# Altium PCB Carte_GR_2017_logique_v1_ECO_JEAN.PcbDoc (part 1 of 3)
Units mil, origin at the board's own origin, x right, y up, seen from the top; angles counter-clockwise.
Board outline 5300 x 3800 mil, 4 copper layers (Component Side, Ground, Power, Solder Side), stack 38.234 mil thick; 359 components, 303 nets, 1044 pads, 134 vias.
Unrouted connection lines stored in the file: 16.
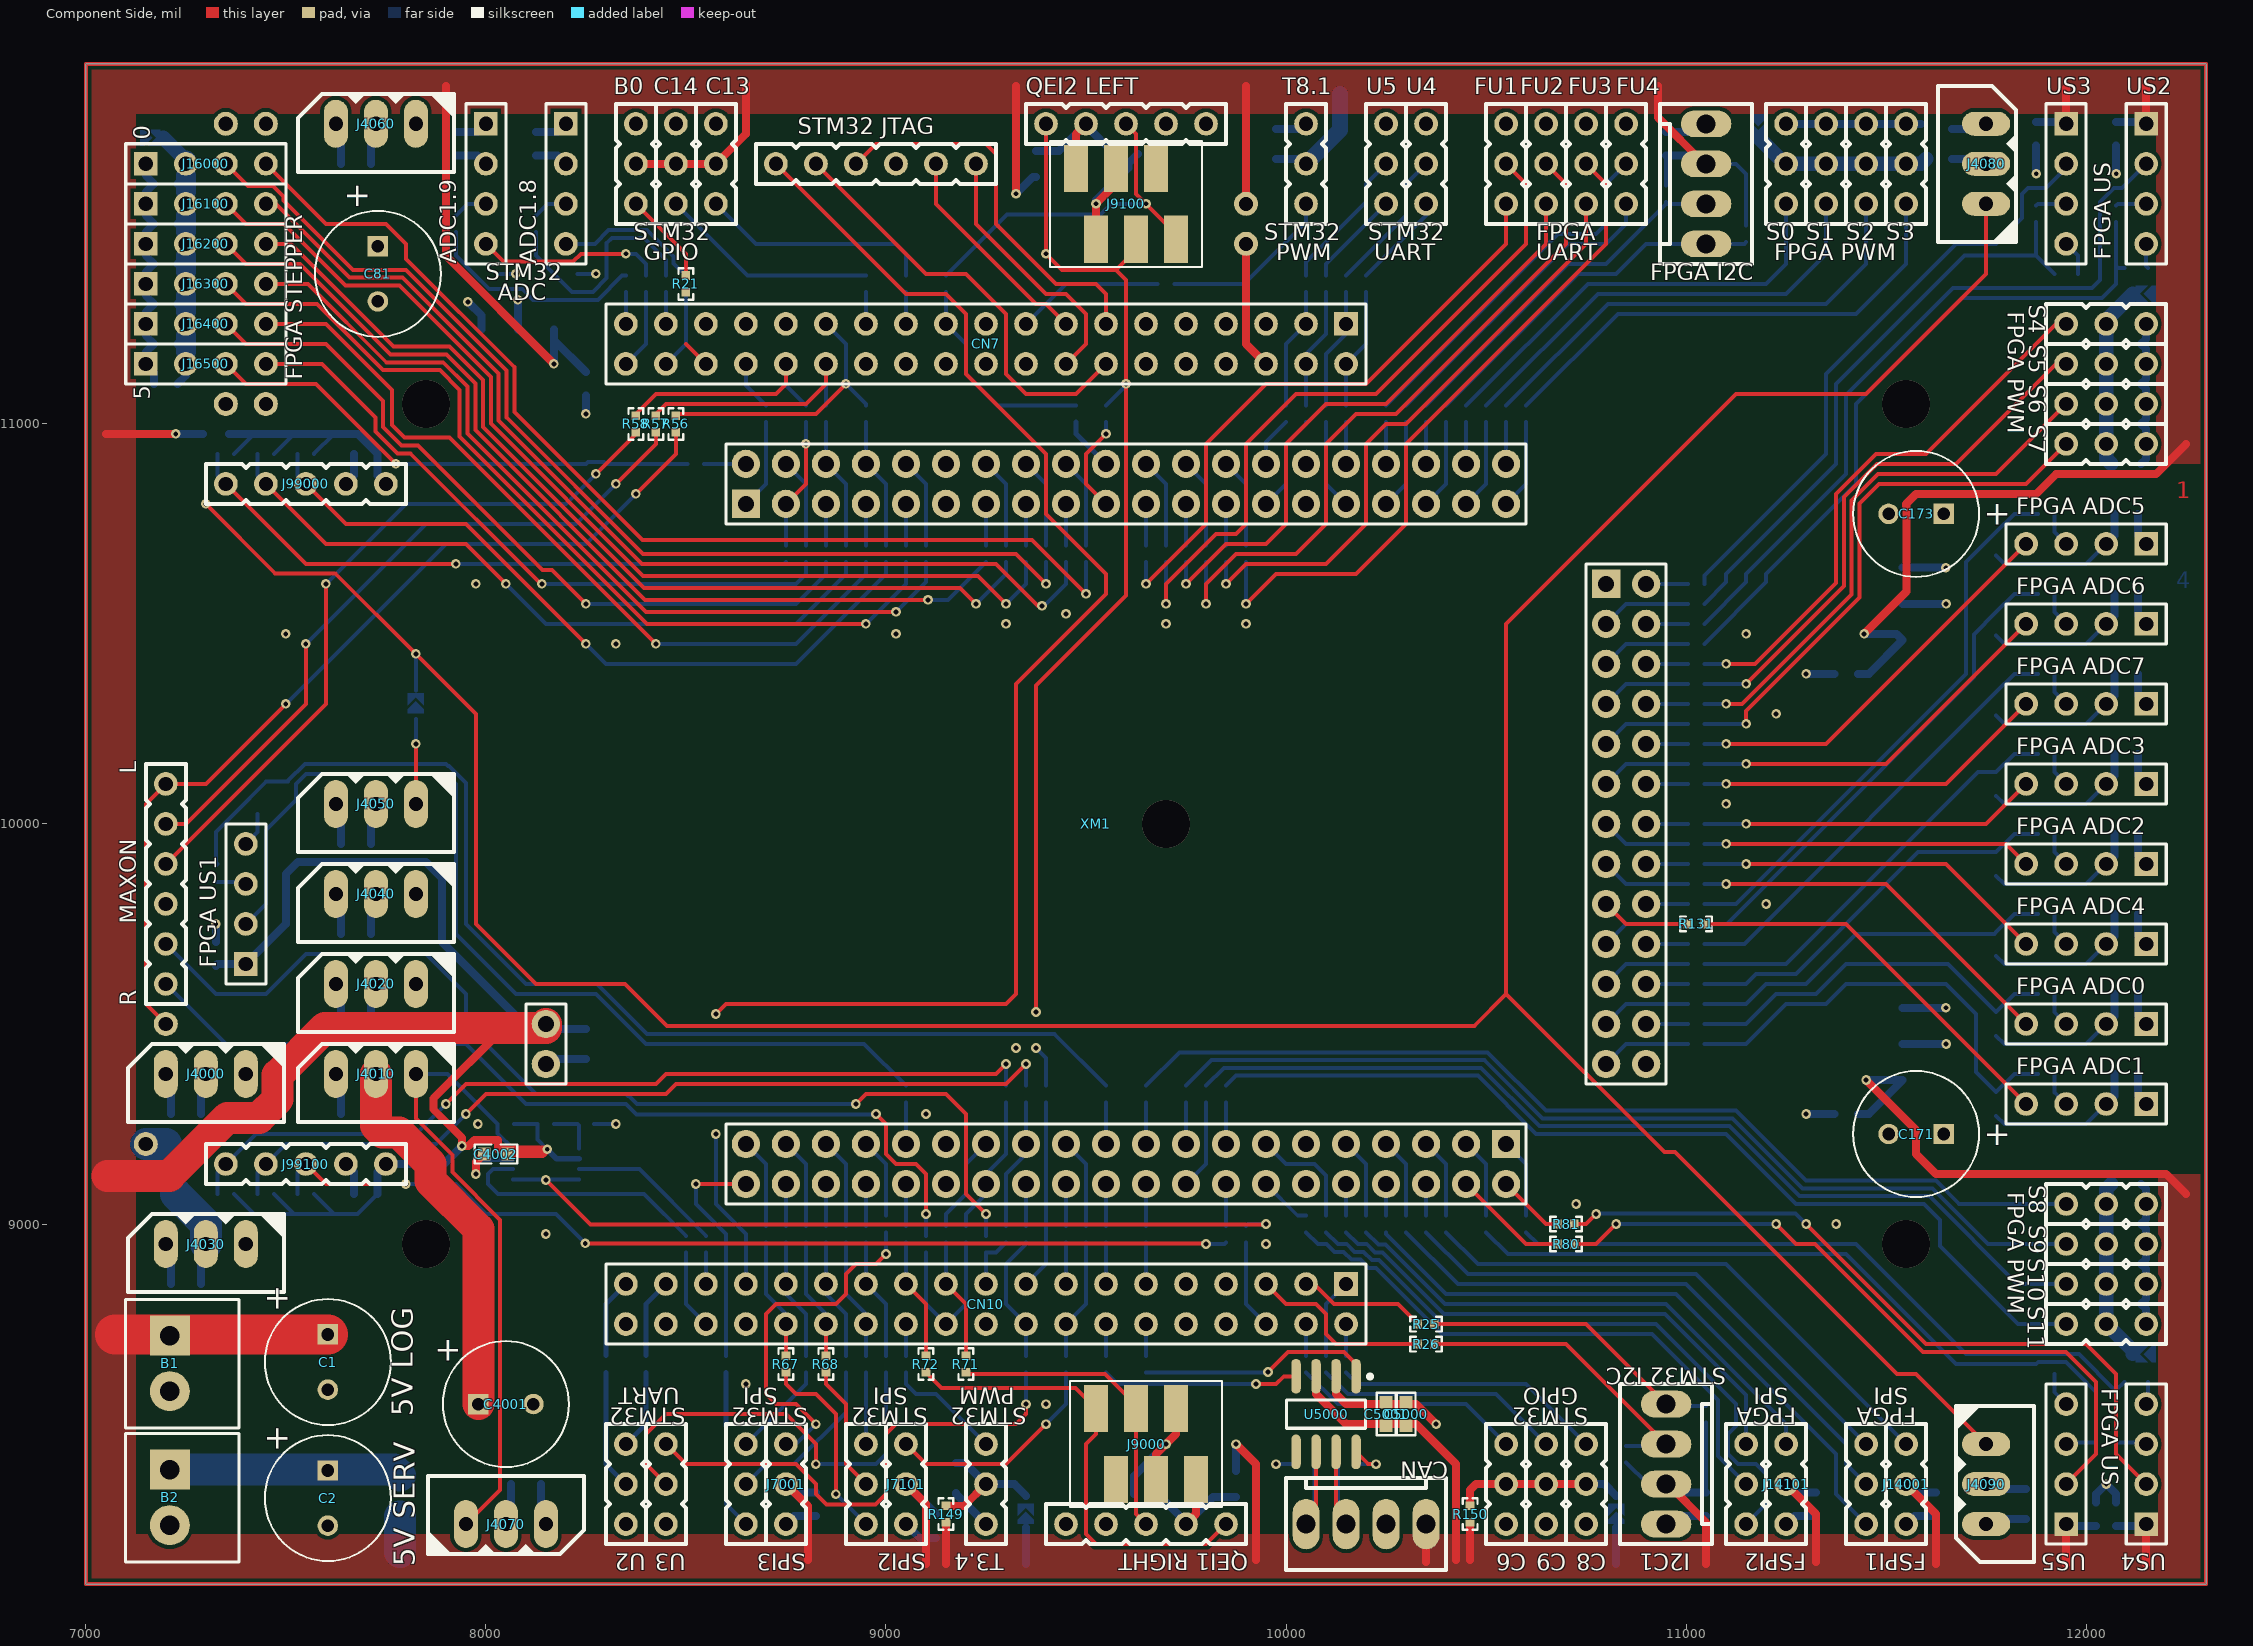
[diagram p0: Component Side view]
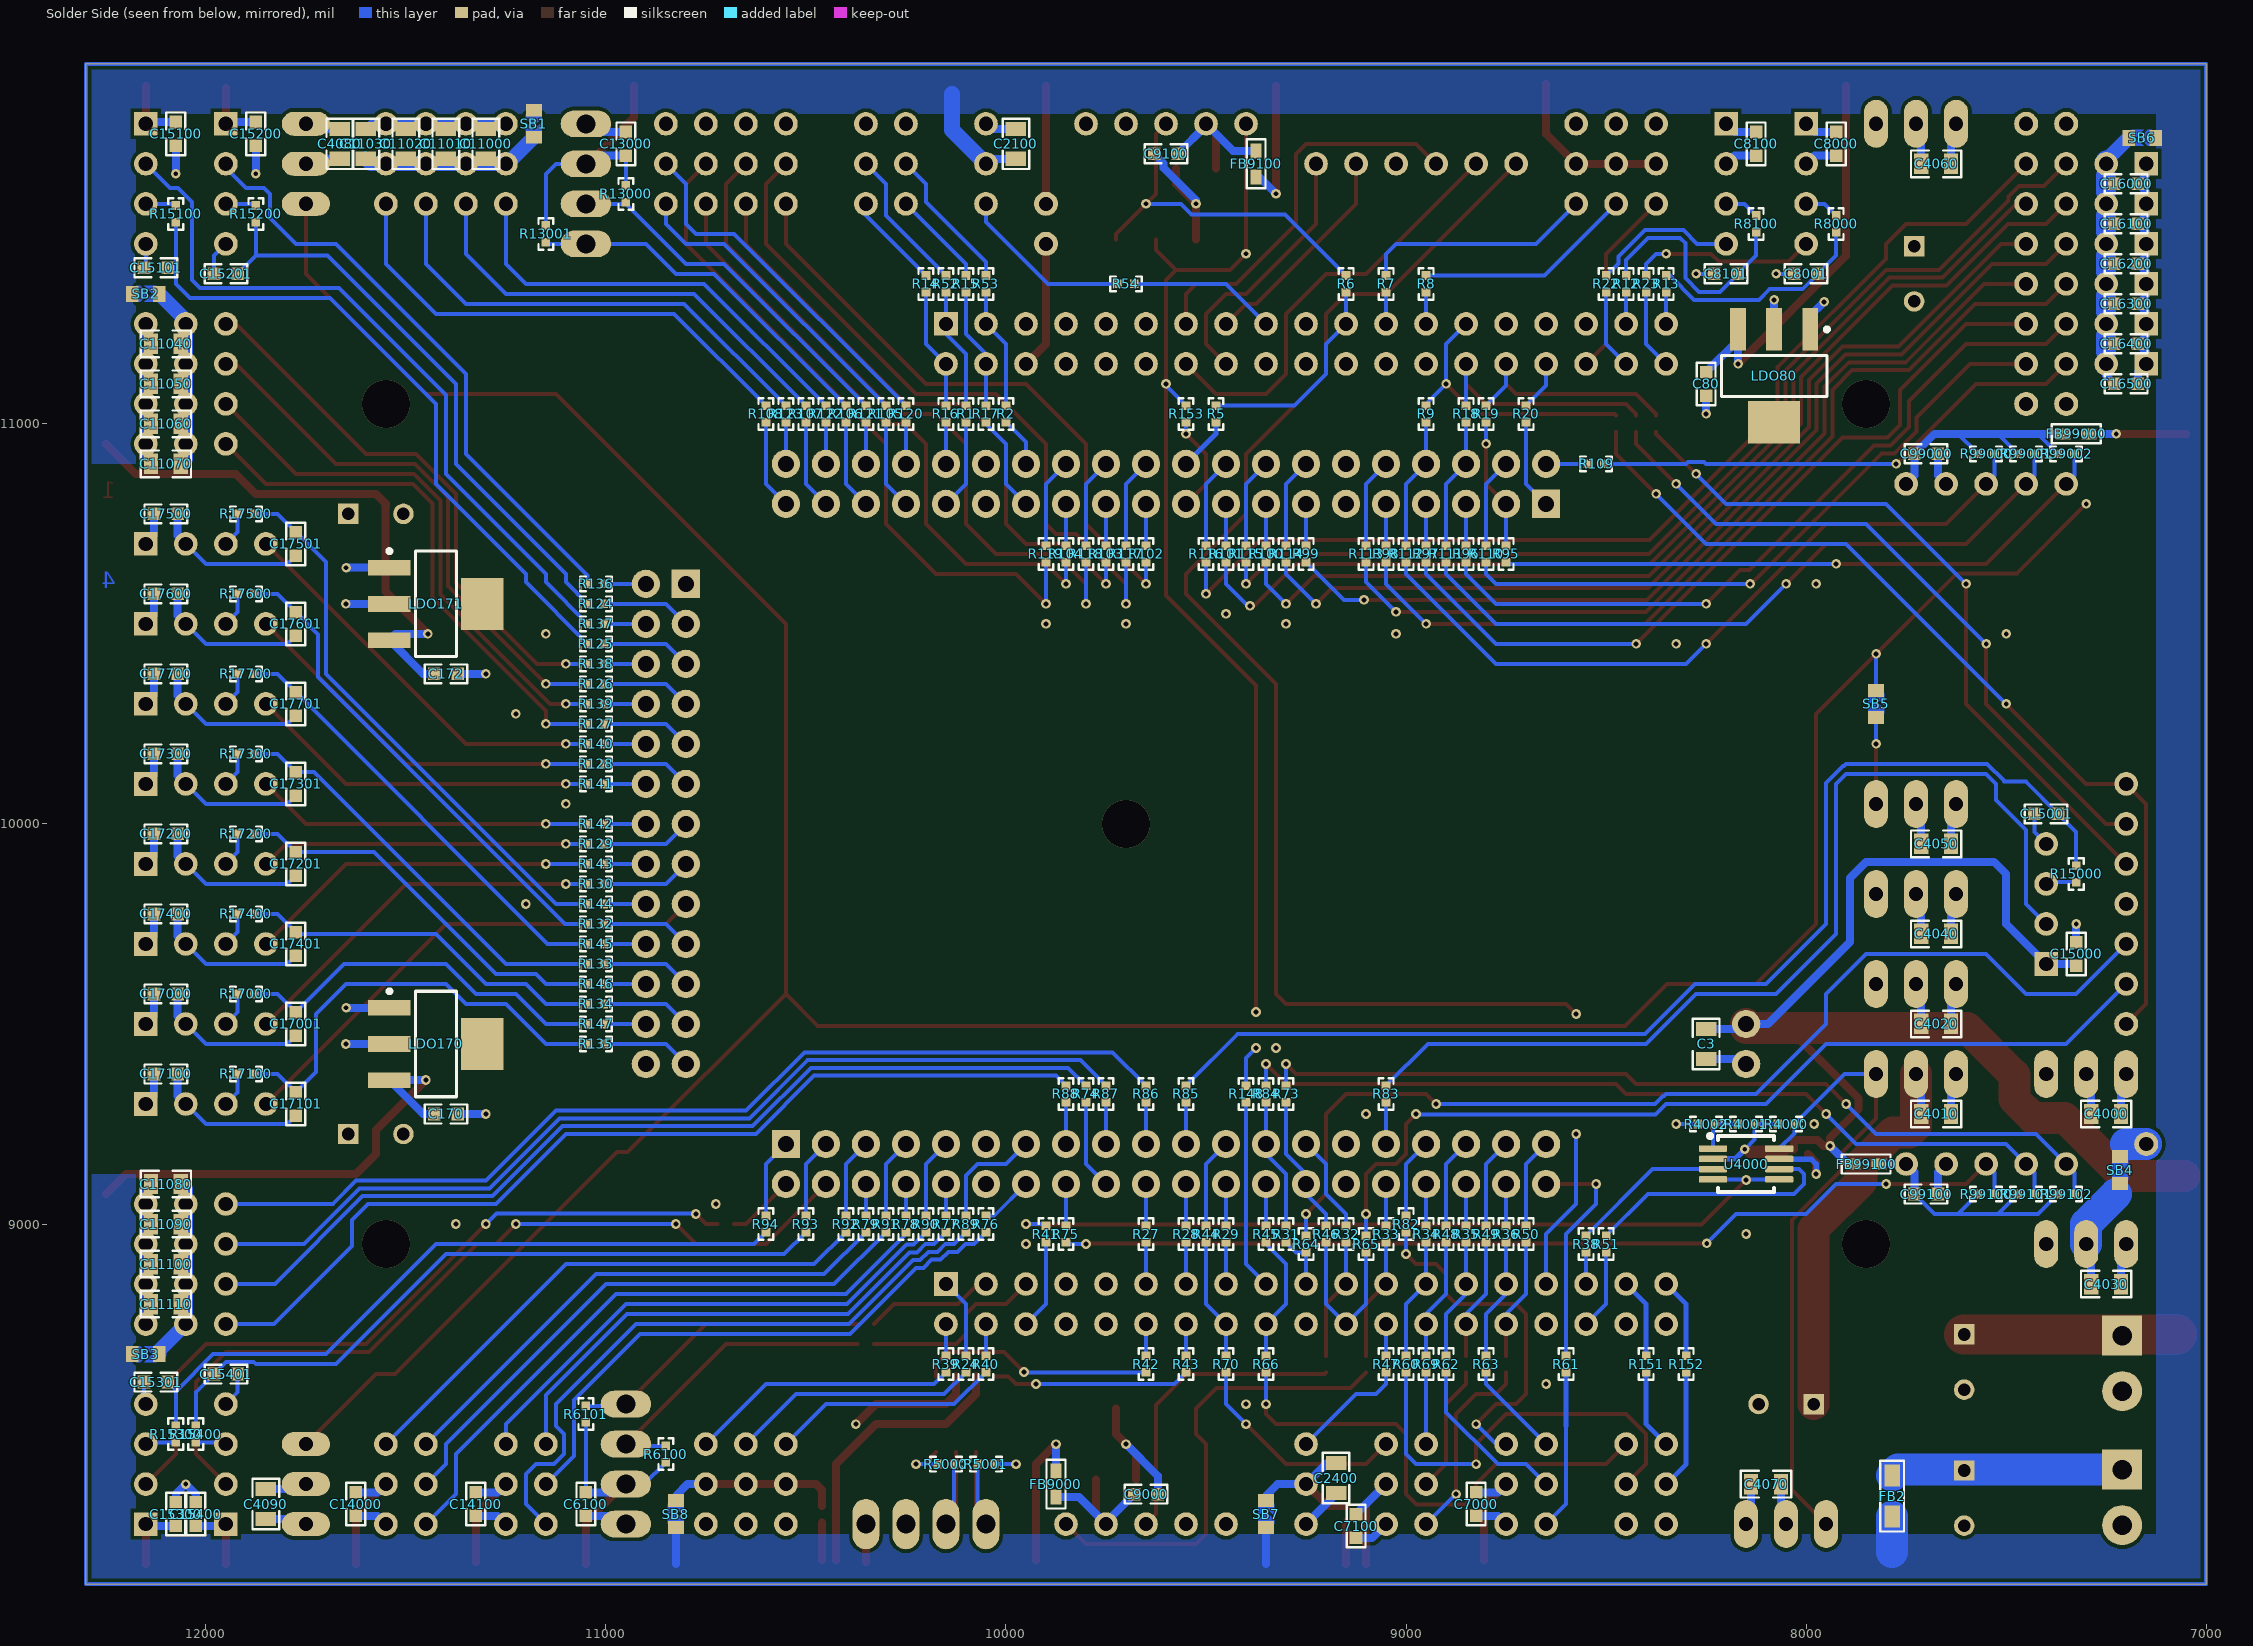
[diagram p1: Solder Side view, seen from below]
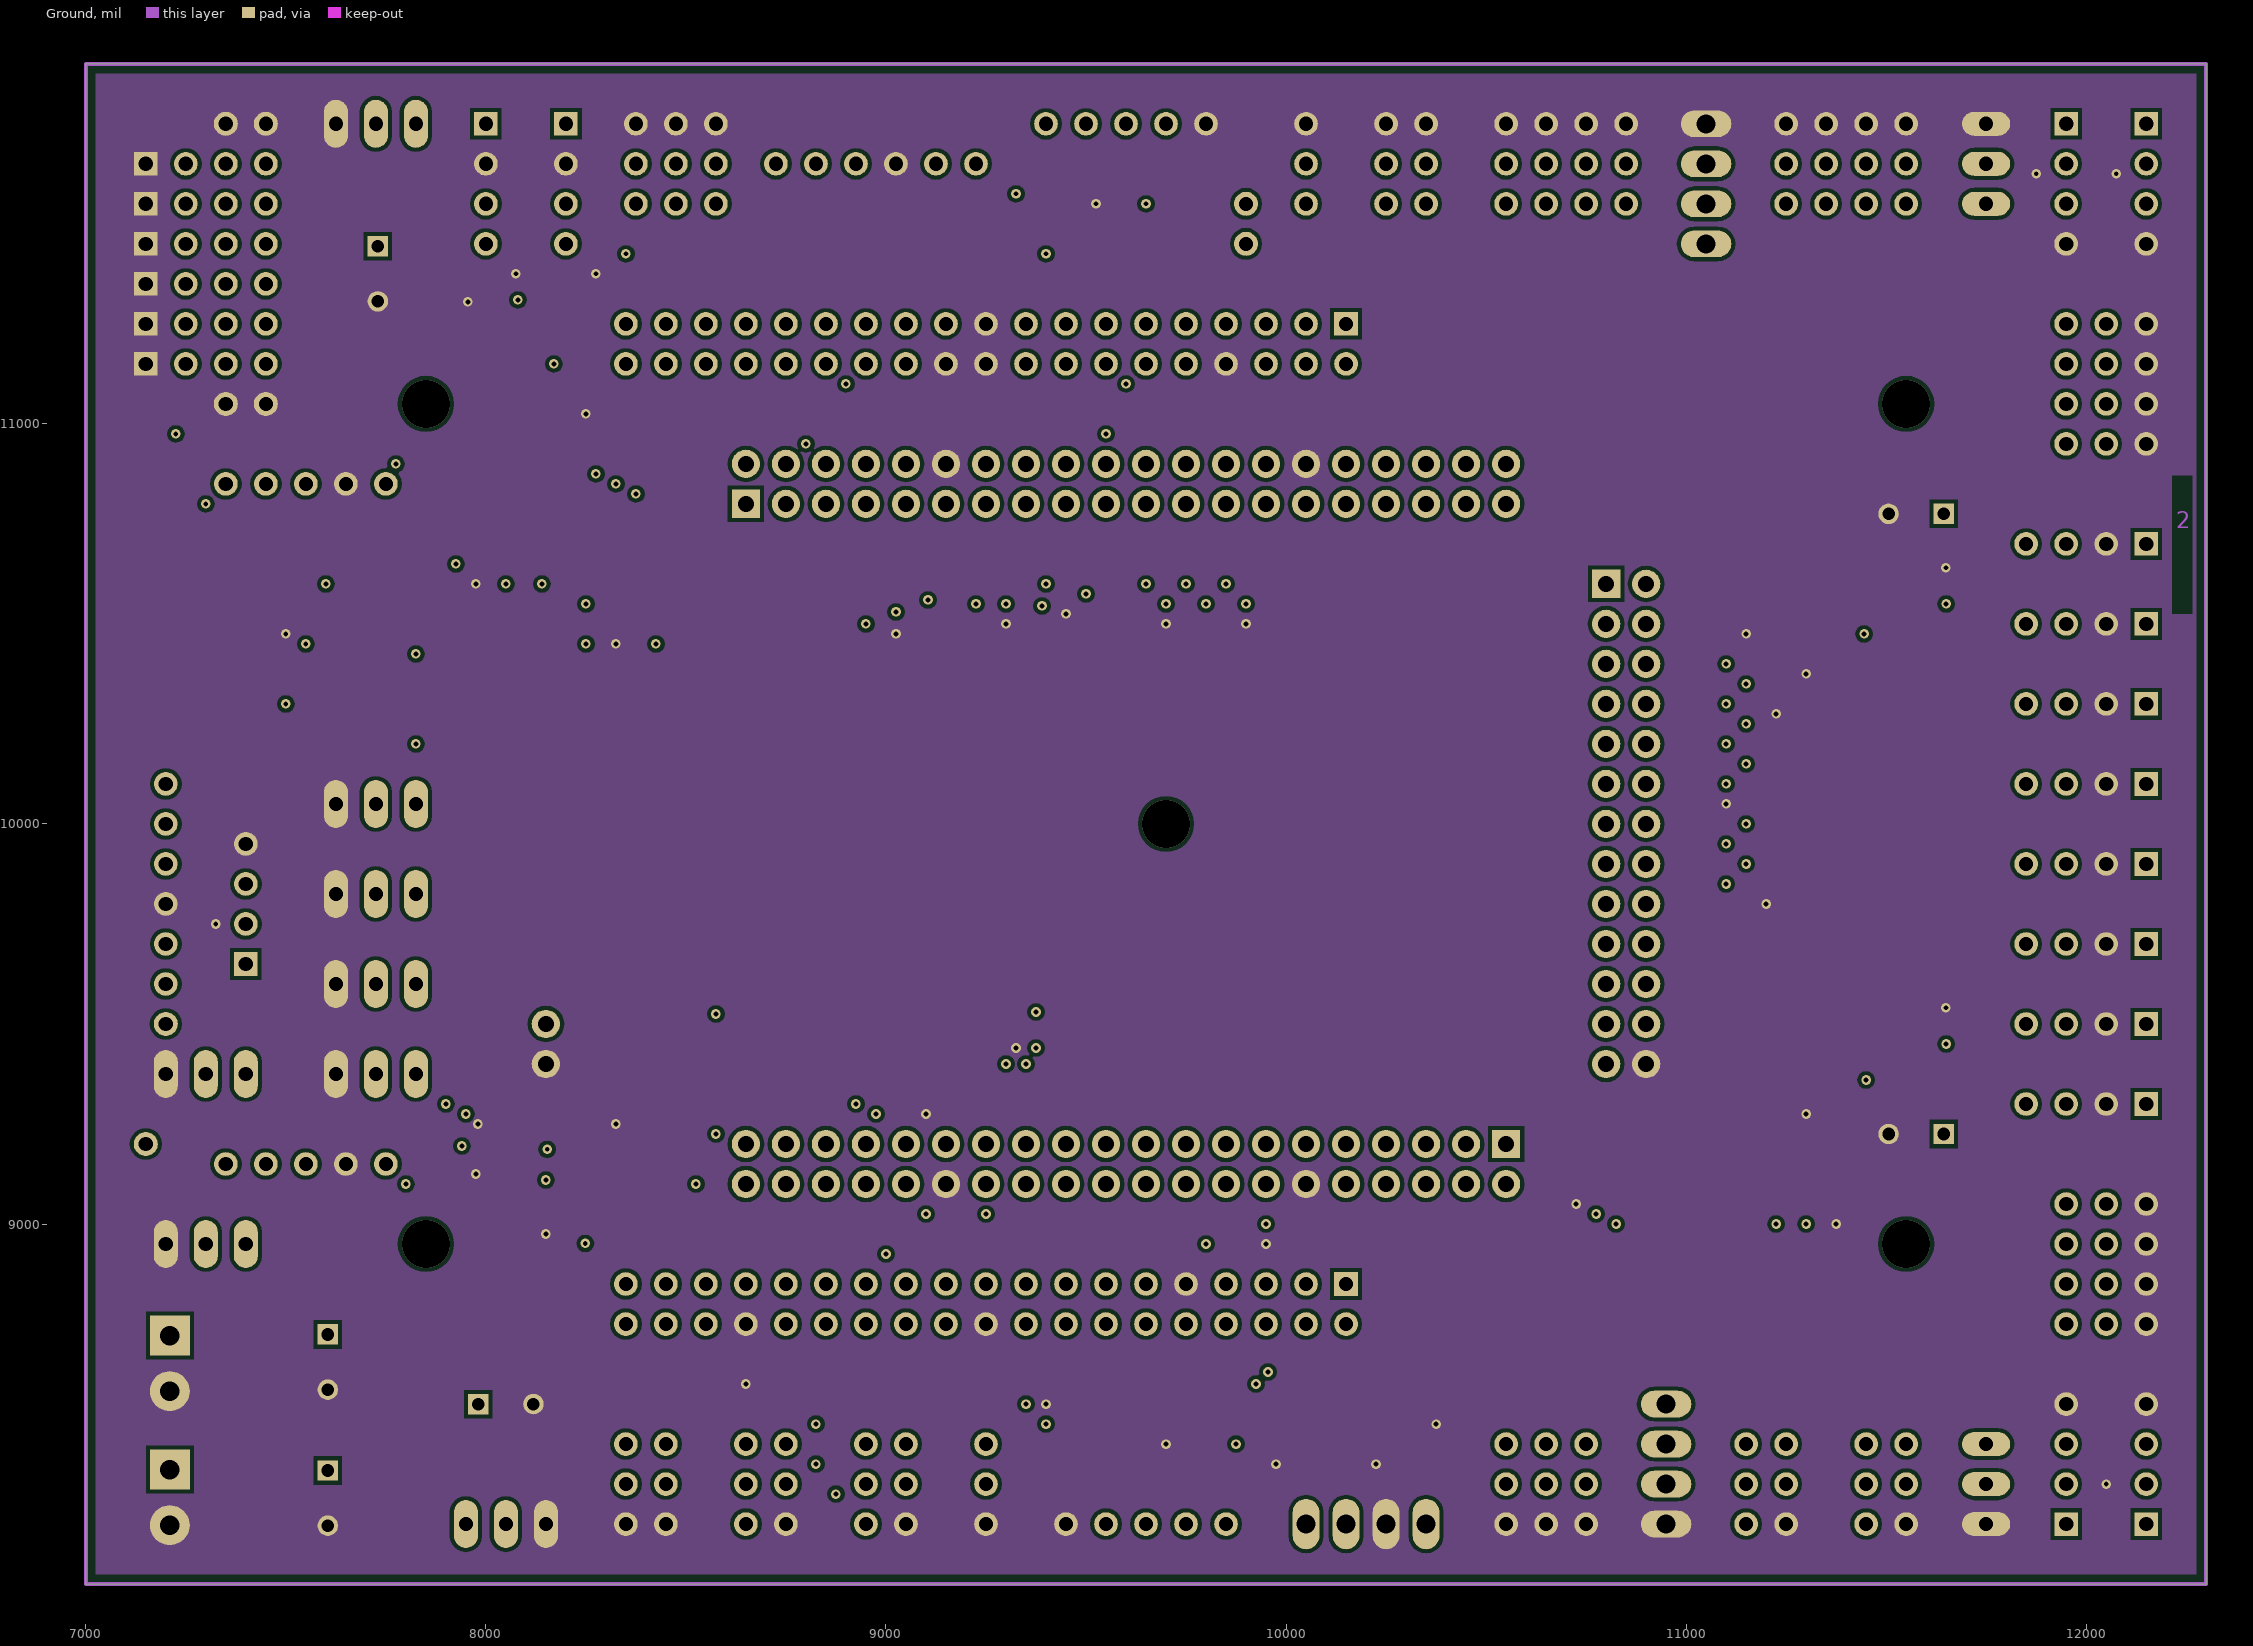
[diagram p2: Ground]
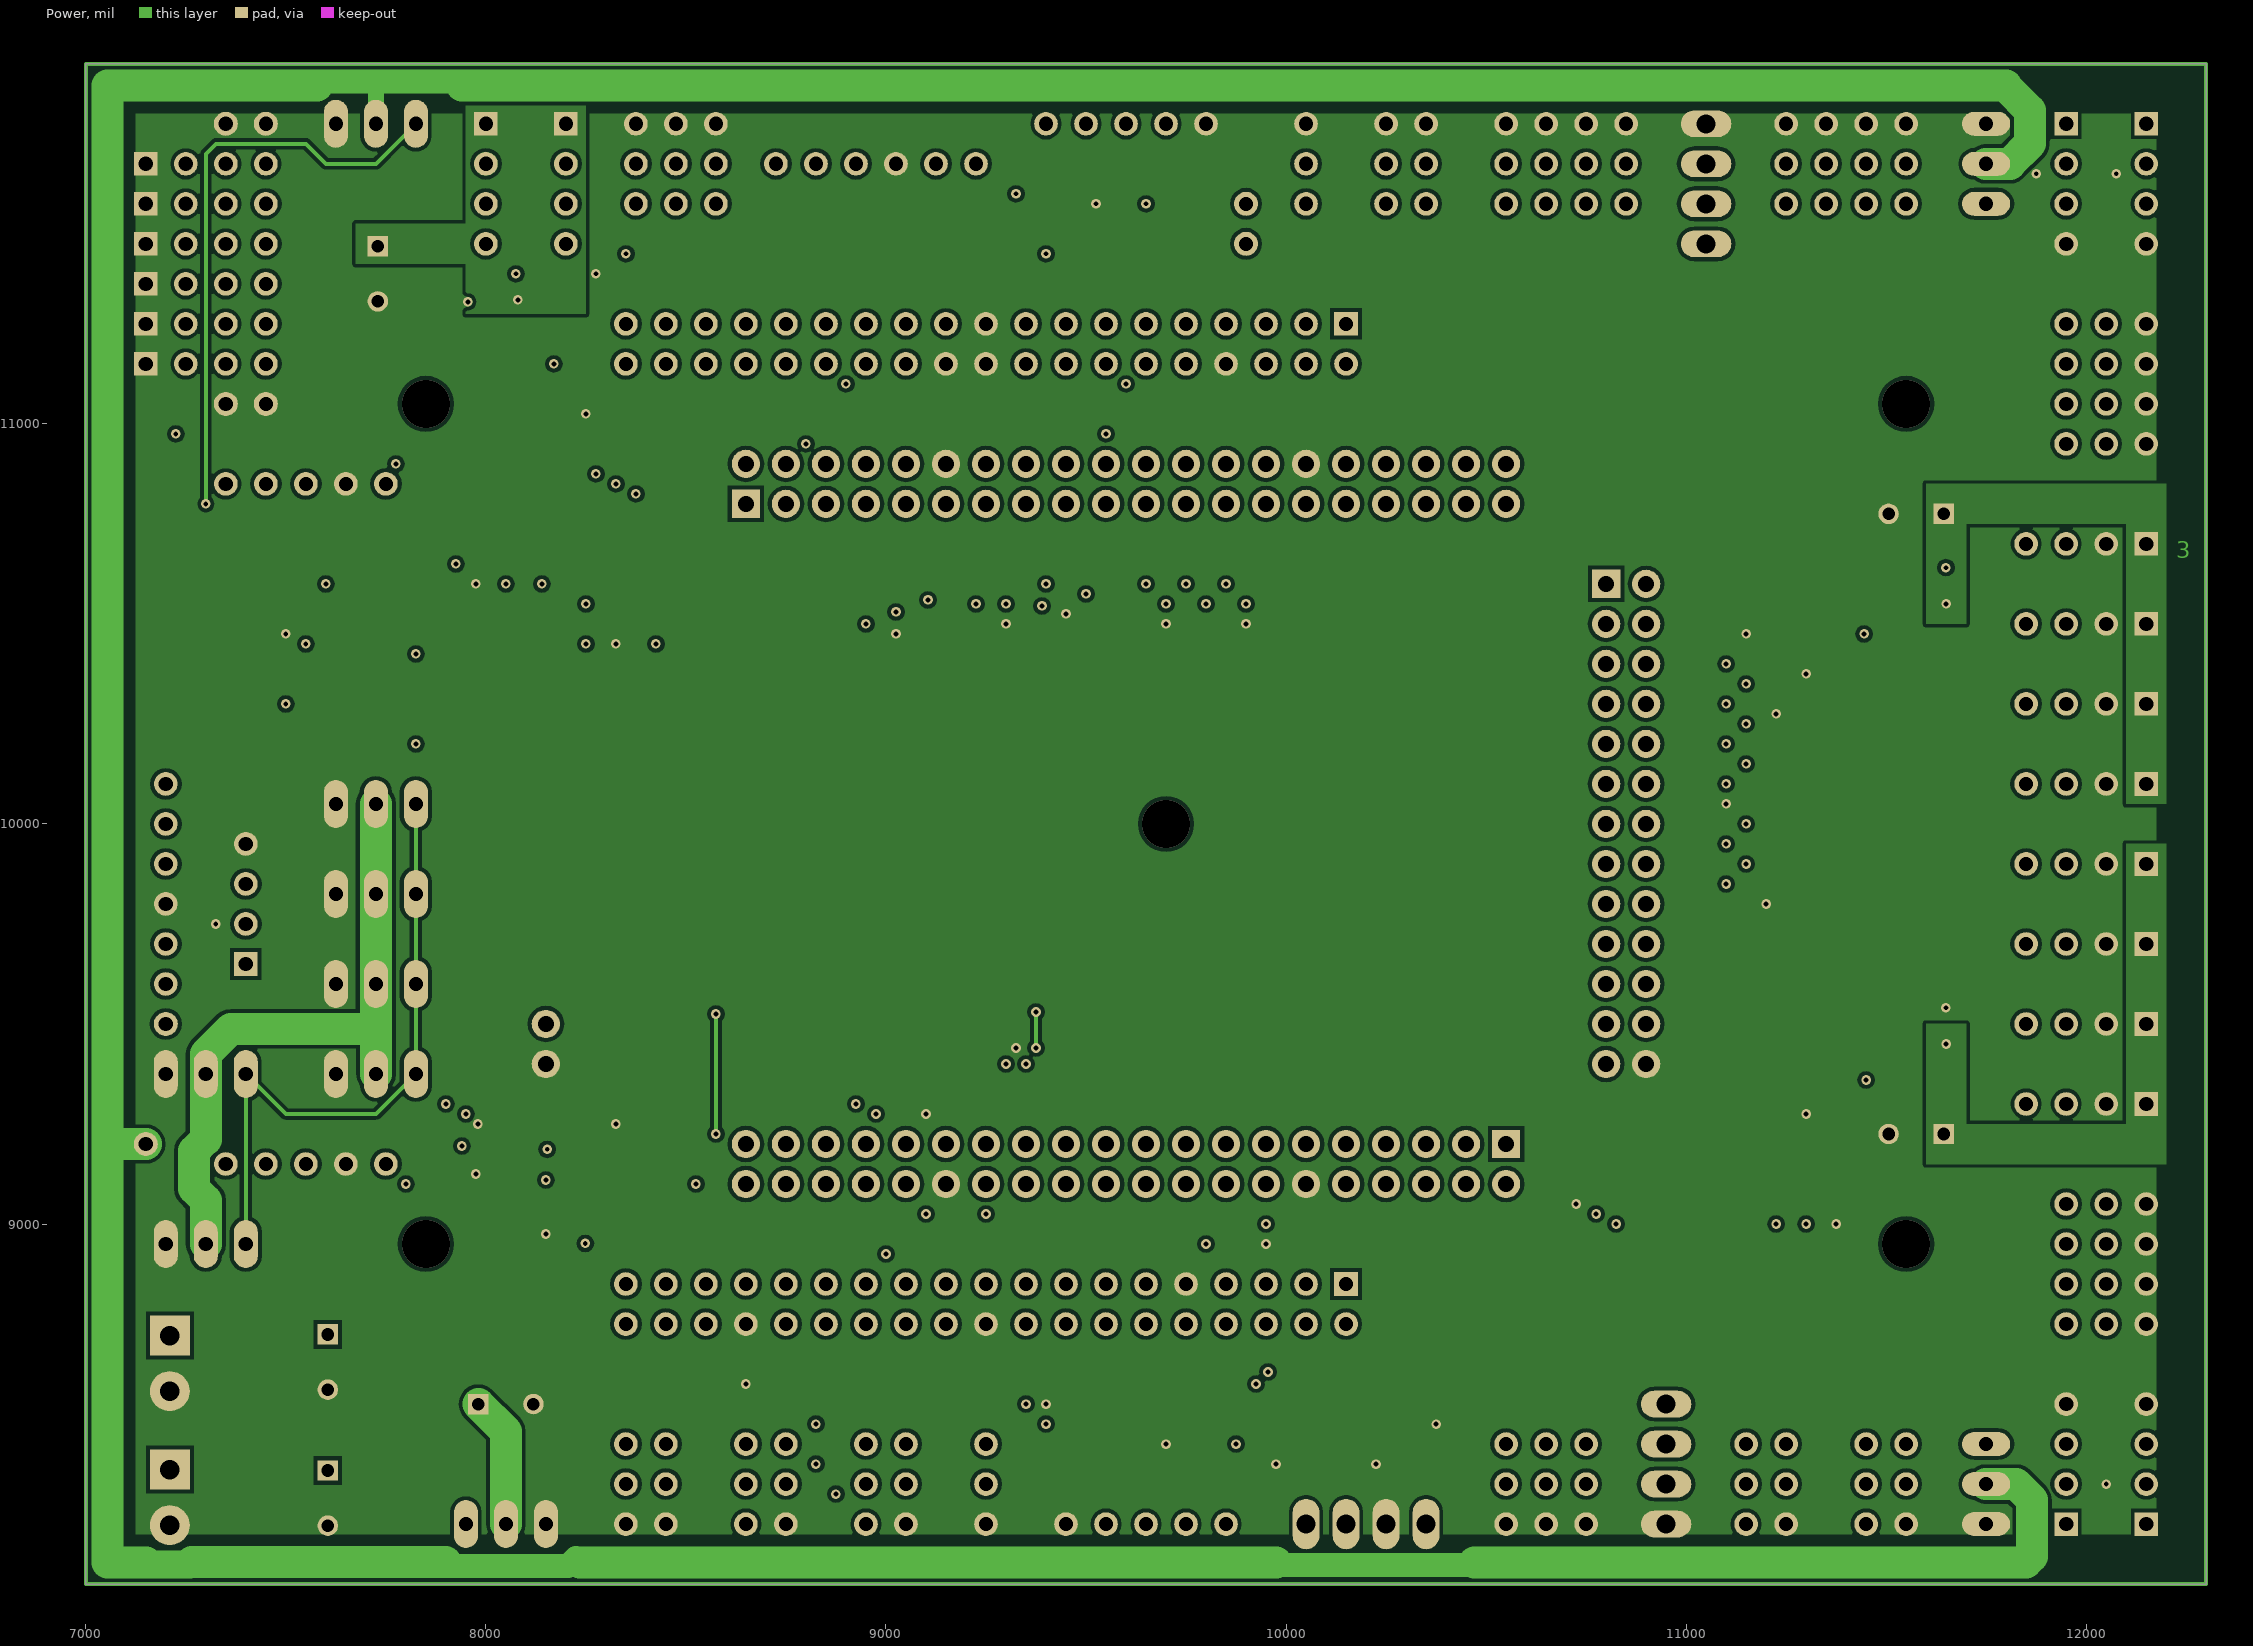
[diagram p3: Power]
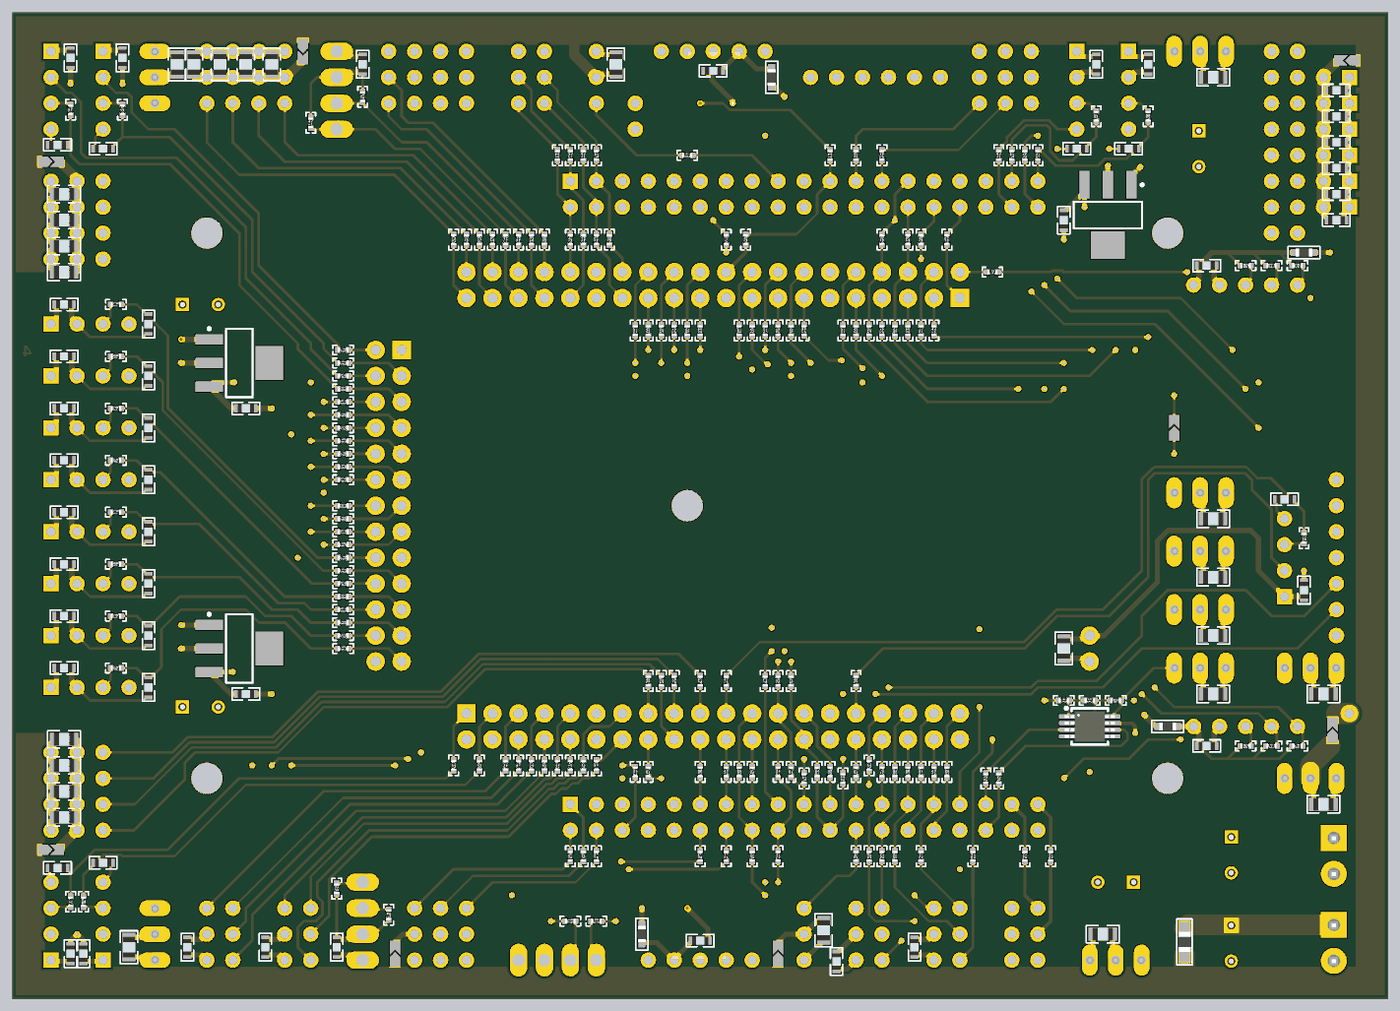
[diagram p6: 3D render of the assembled board from below, using the file's embedded part models]

## Layer stack, top to bottom
Top Solder: solder mask 0.4, Solder Resist, Dk 3.5
Component Side: signal copper 1.4
Dielectric 1: core 12.6, FR-4, Dk 4.8
Ground: signal copper 1.417
Dielectric 2: core 10, Dk 4.2
Power: signal copper 1.417
Dielectric 3: core 10, Dk 4.2
Solder Side: signal copper 1.4
Bottom Solder: solder mask 0.4, Solder Resist, Dk 3.5

## Board outline
7000,8100 7000,11900 12300,11900 12300,8100
